# Altium PCB WIoT-Shield01.PcbDoc (part 2 of 2)
Units mm, origin at the board's own origin, x right, y up, seen from the top; angles counter-clockwise.
Board outline 53.32 x 90 mm, 4 copper layers (Top Layer, Internal Plane 1, Internal Plane 2, Bottom Layer), stack 0.844 mm thick; 121 components, 84 nets, 423 pads, 363 vias.
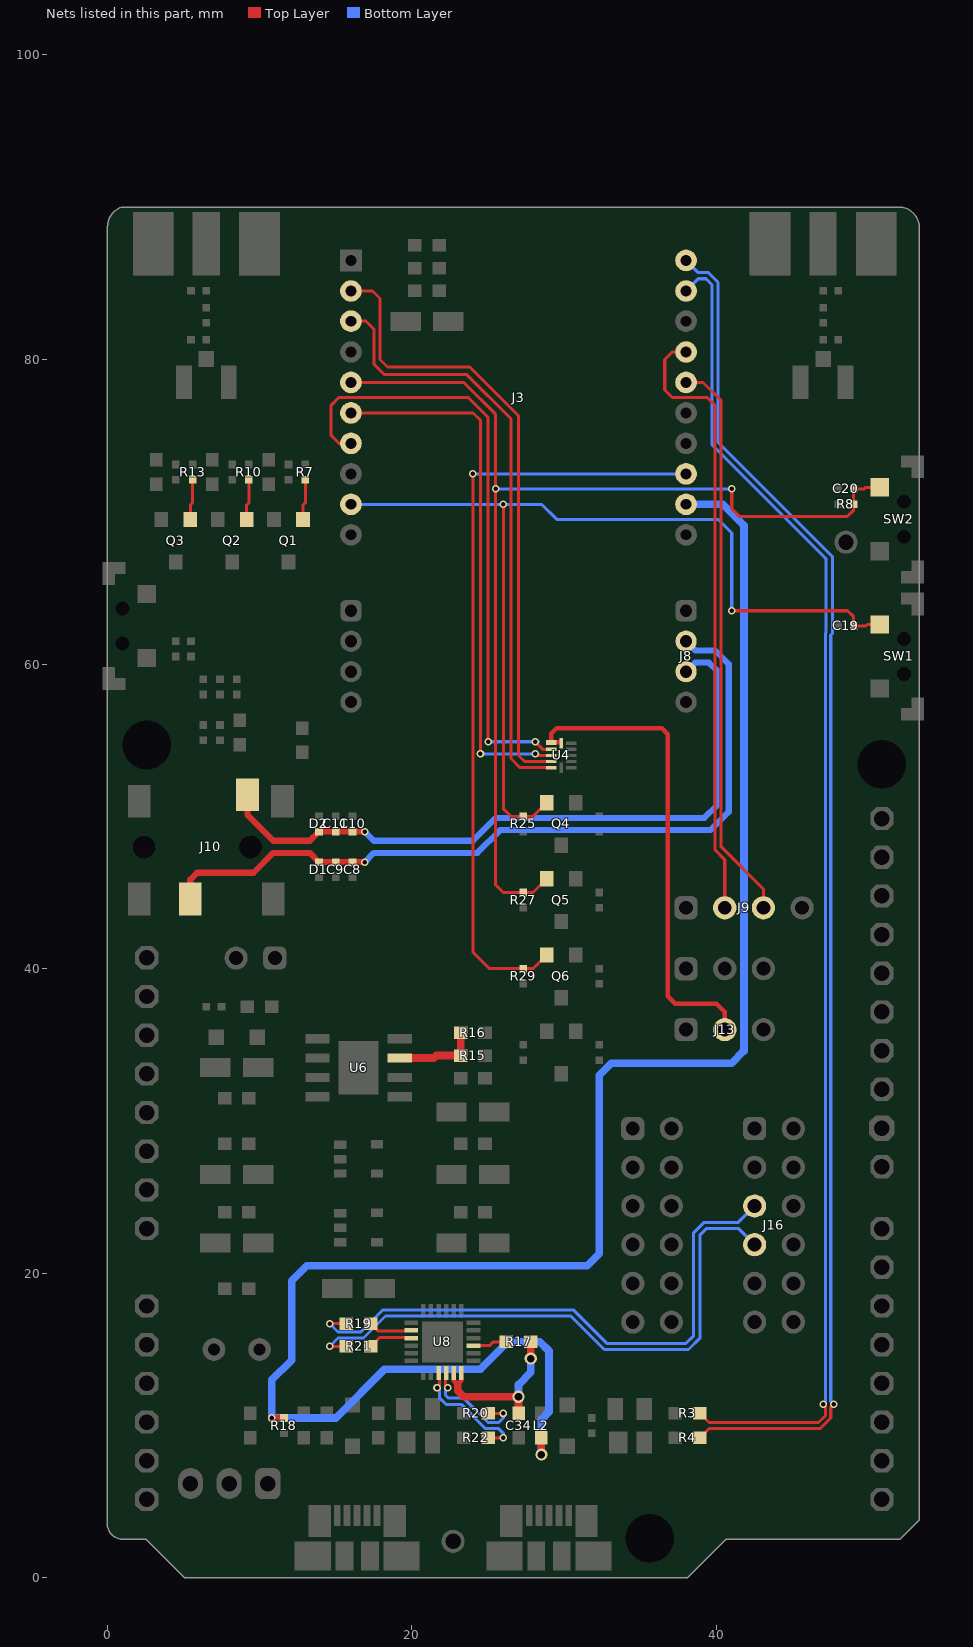
[diagram p4: the nets of this part, all layers, seen from the top]

## Via types
v1: diameter 0.5, hole 0.3, Top Layer to Bottom Layer, tented both sides, 306 vias
v2: diameter 0.8, hole 0.5, Top Layer to Bottom Layer, tented both sides, 57 vias

## Nets (pads, with @x,y where several pads share a name; then routed paths per layer and width w, separated by ;. In a path a pad name is that pad's centre, name@x,y a point inside that pad or via, vN(x,y) a via of type N, cw(c..) or ccw(c..) an arc to the next point about the centre after c; other vN are vias at no path point) (continued)
NetQ1_1: Q1.1 R7.2 | length 2.7
  Top Layer w0.2: Q1.1@12.85,69.5 12.85,70.45 13,70.6 R7.2@13,72.1
NetQ2_1: Q2.1 R10.2 | length 2.7
  Top Layer w0.2: Q2.1@9.15,69.5 9.15,70.45 9.3,70.6 R10.2@9.3,72.1
NetQ3_1: Q3.1 R13.2 | length 2.7
  Top Layer w0.2: Q3.1@5.45,69.5 5.45,70.45 5.6,70.6 R13.2@5.6,72.1
NetR15_1: R15.1 R16.2 U6.7 | length 5.6
  Top Layer w0.5: U6.7@19.2,34.135 21.435,34.135 21.6,34.3 R15.1@23.2,34.3 R16.2@23.2,35.8
NetR17_1: R17.1 U8.9 | length 2.3
  Top Layer w0.2: U8.9@24.05,15.25 25.1,15.25 25.35,15.5 R17.1@26.2,15.5
NetR19_1: R19.1 U8.20 | length 2.9
  Top Layer w0.2: R19.1@17.3,16.7 17.8,16.2 19.5,16.2 19.55,16.25 U8.20@19.95,16.25
NetR21_1: R21.1 U8.21 | length 2.9
  Top Layer w0.2: R21.1@17.3,15.2 17.9,15.8 19.5,15.8 19.55,15.75 U8.21@19.95,15.75
PWRKEY: C19.2 J3.9 Q4.2 R25.1 SW1.1 | length 64.8
  Top Layer w0.2: v1(26,70.488) 26,50.5 26.5,50 R25.1@27.3,50 27.95,50 Q4.2@28.85,50.9 ; v1(41,63.5) 48.6,63.5 49,63.1 C19.2@49,62.5 49.8,62.5 49.9,62.6 SW1.1@50.715,62.6
  Bottom Layer w0.2: J3.9@16,70.488 v1(26,70.488) 28.512,70.488 29.5,69.5 40.1,69.5 41,68.6 v1(41,63.5)
RESET_N: C20.2 J3.5 Q5.2 R8.1 R27.1 SW2.1 | length 73.5
  Top Layer w0.2: J3.5@16,78.488 23.412,78.488 25.5,76.4 v1(25.5,71.5) 25.5,45.5 26,45 R27.1@27.3,45 27.95,45 Q5.2@28.85,45.9 ; v1(41,71.5) 41,70.2 41.5,69.7 48.6,69.7 49,70.1 R8.1@49,70.5 C20.2@49,71.5 49.7,71.5 49.8,71.6 SW2.1@50.715,71.6
  Bottom Layer w0.2: v1(25.5,71.5) v1(41,71.5)
SPK_L: C10.2 C11.2 D2.1 J8.3 J10.3 | length 45.6
  Top Layer w0.4: J10.3@9.2,51.42 9.2,50.1 10.9,48.4 13.3,48.4 D2.1@13.9,49 C11.2@15,49 C10.2@16.1,49 v1(16.9,49)
  Bottom Layer w0.4: v1(16.9,49) 17.5,48.4 24,48.4 25.5,49.9 39.2,49.9 40,50.7 40,59.6 39.5,60.1 38.6,60.1 J8.3@38,59.5
SPK_R: C8.2 C9.2 D1.1 J8.2 J10.6 | length 52.1
  Top Layer w0.4: J10.6@5.45,44.58 5.45,45.85 5.9,46.3 9.6,46.3 10.9,47.6 13.3,47.6 D1.1@13.9,47 C9.2@15,47 C8.2@16.1,47 v1(16.9,47)
  Bottom Layer w0.4: v1(16.9,47) 17.5,47.6 24.3,47.6 25.8,49.1 39.6,49.1 40.8,50.3 40.8,60 39.9,60.9 38.6,60.9 J8.2@38,61.5
U1_CTS: J3.7 U4.2 | length 40.4
  Top Layer w0.2: J3.7@16,74.488 15.212,74.488 14.7,75 14.7,77 15.2,77.5 23.7,77.5 25,76.2 v1(25,54.9) ; v1(28.1,54.9) 28.6,54.4 U4.2@29.145,54.4
  Bottom Layer w0.2: v1(25,54.9) v1(28.1,54.9) v1@28.3,54.9
U1_RTS: J3.6 U4.3 | length 35.5
  Top Layer w0.2: J3.6@16,76.488 24.012,76.488 24.5,76 v1(24.5,54.1) ; v1(28.1,54.1) 28.2,54 U4.3@29.145,54
  Bottom Layer w0.2: v1(24.5,54.1) v1(28.1,54.1) v1@28.3,54.1
U1_RXD: J3.2 U4.4 | length 41.5
  Top Layer w0.2: J3.2@16,84.493 17.407,84.493 17.9,84 17.9,80 18.4,79.5 23.8,79.5 27,76.3 27,54 27.4,53.6 U4.4@29.145,53.6 U4.4@29.345,53.6
U1_TXD: J3.3 U4.5 | length 39.9
  Top Layer w0.2: J3.3@16,82.512 16.988,82.512 17.5,82 17.5,79.7 18.2,79 23.6,79 26.5,76.1 26.5,53.8 27.1,53.2 U4.5@29.145,53.2 U4.5@29.345,53.2
U2_RXD: J3.14 J9.2 | length 40.6
  Top Layer w0.2: J3.14@38,80.488 37.088,80.488 36.6,80 36.6,78 37.1,77.5 39.4,77.5 39.9,77 39.9,47.8 40.54,47.16 J9.2@40.54,44
U2_TXD: J3.15 J9.3 | length 37.2
  Top Layer w0.2: J3.15@38,78.488 39.112,78.488 40.3,77.3 40.3,48 43.08,45.22 J9.3@43.08,44
USB_3.3V: C34.2 R17.2 U8.5 U8.6 | length 11.3
  Top Layer w0.3: U8.5@22.75,13.45 22.75,12.95 23,12.7 23.25,12.95 U8.6@23.25,13.45
  Top Layer w0.5: 23,12.7 23,12.3 23.4,11.9 v2(27,11.9) C34.2@27,10.8 ; v2(27.8,14.4) R17.2@27.8,15.5
  Bottom Layer w0.5: v2(27,11.9) 27,12.7 27.8,13.5 v2(27.8,14.4)
USB_D+: J3.11 R4.1 | length 89.8
  Top Layer w0.2: R4.1@38.9,9.2 39.5,9.8 46.795,9.8 47.5,10.505 47.5,11.2 v1(47.7,11.4)
  Bottom Layer w0.2: J3.11@38,86.5 38.803,85.697 39.469,85.697 40.1,85.066 40.1,74.566 47.6,67.066 47.6,62.007 47.5,61.907 47.5,11.6 v1(47.7,11.4) v1@47.6,11.4
USB_D-: J3.12 R3.1 | length 88.4
  Top Layer w0.2: R3.1@38.9,10.8 39.5,10.2 46.7,10.2 47.15,10.65 47.15,11.25 v1(47,11.4)
  Bottom Layer w0.2: J3.12@38,84.493 38.803,85.297 39.303,85.297 39.7,84.9 39.7,74.4 47.2,66.9 47.2,62.102 47.15,62.052 47.15,11.55 v1(47,11.4)
USB_D_N: R20.2 U8.4 | length 7.6
  Top Layer w0.2: U8.4@22.25,13.45 22.25,13.25 22.2,13.2 22.2,12.65 v1(22.35,12.5) ; R20.2@25,10.8 v1(26,10.8)
  Bottom Layer w0.2: v1(22.35,12.5) 22.2,12.35 22.2,12 22.4,11.8 23.4,11.8 25,10.2 25.7,10.2 26,10.5 v1(26,10.8)
USB_D_P: R22.2 U8.3 | length 8.2
  Top Layer w0.2: v1(21.65,12.5) 21.8,12.65 21.8,13.1 21.75,13.15 U8.3@21.75,13.45 ; R22.2@25,9.2 v1(26,9.2)
  Bottom Layer w0.2: v1(21.65,12.5) 21.8,12.35 21.8,11.834 22.234,11.4 23.234,11.4 24.834,9.8 25.7,9.8 26,9.5 v1(26,9.2)
USB_RX: J16.5 R19.2 | length 38.4
  Top Layer w0.2: v1(14.6,16.7) R19.2@15.7,16.7
  Bottom Layer w0.2: v1(14.6,16.7) 15.15,16.15 16.65,16.15 18.1,17.6 30.6,17.6 32.8,15.4 38,15.4 38.5,15.9 38.5,22.666 39.184,23.35 41.43,23.35 J16.5@42.5,24.42
USB_TX: J16.7 R21.2 | length 38.4
  Top Layer w0.2: v1(14.6,15.2) R21.2@15.7,15.2
  Bottom Layer w0.2: v1(14.6,15.2) 15.15,15.75 16.816,15.75 18.266,17.2 30.434,17.2 32.634,15 38.166,15 38.9,15.734 38.9,22.5 39.35,22.95 41.43,22.95 J16.7@42.5,21.88
USB_VBUS: J3.19 L2.2 R18.2 | length 120.6
  Top Layer w0.4: v1(10.8,10.5) R18.2@11.6,10.5
  Top Layer w0.5: v2(28.5,8.1) L2.2@28.5,9.2
  Bottom Layer w0.5: v2(28.5,8.1) 28.5,10.4 29,10.9 29,14.9 28.4,15.5 26.3,15.5 24.5,13.7 18.2,13.7 15,10.5 v1(10.8,10.5) 10.8,13 12.1,14.3 12.1,19.5 13.1,20.5 31.5,20.5 32.3,21.3 32.3,33 33.1,33.8 41,33.8 41.8,34.6 41.8,69.1 40.412,70.488 J3.19@38,70.488
VCC_SEL: J13.2 U4.1 U4.12 | length 31.7
  Top Layer w0.3: U4.12@29.75,54.855 U4.1@29.145,54.855 29.145,55.445 29.5,55.8 36.4,55.8 36.8,55.4 36.8,38.2 37.3,37.7 40,37.7 40.54,37.16 J13.2@40.54,36
W_DISABLE#: J3.18 Q6.2 R29.1 | length 51.1
  Top Layer w0.2: v1(24,72.488) 24,41.1 25.1,40 R29.1@27.3,40 27.95,40 Q6.2@28.85,40.9
  Bottom Layer w0.2: v1(24,72.488) J3.18@38,72.488
pads on no net: J3.8 J10.0 J10.4 J10.5 M1. M1.A2 M1.A3 M1.A4 M1.A5 M1.AREF M1.D10 M1.D11 M1.D12 M1.D13 M1.RESERVED M1.SCL M1.SDA M1.VIN P1.4 P2.4 SW1.0 SW2.0 SW3.0 U5.4 U6.1 U6.4 U6.5 U7.4 U8.1 U8.10 U8.11 U8.12 U8.13 U8.14 U8.15 U8.17 U8.18 U8.19 U8.22 U8.23 U8.24

## Polygon pours and split planes (outlines as drawn)
AGND on Top Layer "Top Layer-gnd" (solid, remove dead copper, pour order 10): 0.6,50 0.6,48.6 0.8,48.4 4.7,48.4 6.4,48.4 6.6,48.6 6.6,51.7 10.3,55.4 11.1,55.4 16.9,55.4 17.1,55.6 17.1,59.9 16.9,60.1 11.2,60.1 7.7,56.6 0.8,56.6 0.6,56.4
GND on Top Layer "Top Layer-gnd" (solid, remove dead copper, pour order 8): 14.8,54.6 10.7,54.6 7.4,51.3 7.4,47.8 7.2,47.6 0.8,47.6 0.6,47.4 0.6,3.3 0.8,3.1 2.8,3.1 3.4,2.5 5.3,0.6 7,0.6 37.8,0.6 40,2.8 40.4,3.2 41.7,3.2 51.8,3.2 52.5,3.9 52.7,4.1 52.7,4.4 52.7,89.2 52.5,89.4 0.8,89.4 0.6,89.2 0.6,57.6 0.8,57.4 7.3,57.4 10.8,60.9 17.7,60.9 17.9,60.7 17.9,54.8 17.7,54.6
AGND on Bottom Layer "Top Layer-gnd" (solid, remove dead copper, pour order 6): 0.6,50 0.6,48.6 0.8,48.4 4.7,48.4 6.4,48.4 6.6,48.6 6.6,51.7 10.3,55.4 11.1,55.4 16.9,55.4 17.1,55.6 17.1,59.9 16.9,60.1 11.2,60.1 7.7,56.6 0.8,56.6 0.6,56.4
GND on Bottom Layer "Top Layer-gnd" (solid, remove dead copper, pour order 4): 14.8,54.6 10.7,54.6 7.4,51.3 7.4,47.8 7.2,47.6 0.8,47.6 0.6,47.4 0.6,3.3 0.8,3.1 2.8,3.1 3.4,2.5 5.3,0.6 7,0.6 37.8,0.6 40,2.8 40.4,3.2 41.7,3.2 51.8,3.2 52.5,3.9 52.7,4.1 52.7,4.4 52.7,89.2 52.5,89.4 0.8,89.4 0.6,89.2 0.6,57.6 0.8,57.4 7.3,57.4 10.8,60.9 17.7,60.9 17.9,60.7 17.9,54.8 17.7,54.6
AGND on Internal Plane 1 (split plane): 17.173,55.327 10.5,55.327 10.436,55.32 10.375,55.302 10.349,55.288 10.319,55.272 10.269,55.231 6.769,51.731 6.728,51.681 6.698,51.625 6.68,51.564 6.673,51.5 6.673,48.327 0.51,48.327 0.51,56.673 7.5,56.673 7.564,56.68 7.625,56.698 7.681,56.728 7.731,56.769 11.135,60.173 17.173,60.173
GND on Internal Plane 1 (split plane): 52.25,89.454 52.357,89.401 52.455,89.335 52.544,89.257 52.622,89.168 52.688,89.07 52.741,88.963 52.779,88.851 52.802,88.735 52.807,88.649 52.804,88.617 52.804,4.021 51.833,3.05 40.615,3.05 40.515,3.041 40.419,3.012 40.331,2.964 40.254,2.901 37.863,0.51 5.291,0.51 2.901,2.901 2.824,2.964 2.735,3.012 2.64,3.041 2.54,3.05 1.016,3.05 1.004,3.049 0.917,3.058 0.822,3.087 0.734,3.134 0.657,3.197 0.594,3.274 0.547,3.362 0.518,3.457 0.509,3.544 0.51,3.556 0.51,47.673 7,47.673 7.064,47.68 7.125,47.698 7.181,47.728 7.231,47.769 7.272,47.819 7.302,47.875 7.32,47.936 7.327,48 7.327,51.365 10.635,54.673 17.5,54.673 17.564,54.68 17.625,54.698 17.681,54.728 17.731,54.769 17.772,54.819 17.802,54.875 17.82,54.936 17.827,55 17.827,60.5 17.82,60.564 17.802,60.625 17.772,60.681 17.731,60.731 17.681,60.772 17.625,60.802 17.564,60.82 17.5,60.827 11,60.827 10.936,60.82 10.875,60.802 10.819,60.772 10.769,60.731 7.365,57.327 0.51,57.327 0.51,88.59 0.513,88.6 0.523,88.7 0.522,88.711 0.529,88.815 0.551,88.927 0.588,89.036 0.639,89.139 0.703,89.235 0.779,89.321 0.865,89.397 0.961,89.461 1.019,89.49 1.374,89.49 1.374,85.205 5.75,85.205 5.75,79.9 4.2,79.9 4.2,77.1 8.8,77.1 8.8,79.9 7.202,79.9 7.202,85.205 11.626,85.205 11.626,89.49 41.874,89.49 41.874,85.2 46.298,85.2 46.298,79.9 44.7,79.9 44.7,77.1 49.3,77.1 49.3,79.9 47.75,79.9 47.75,85.205 52.126,85.205 52.126,89.49 52.144,89.49
3.8V on Internal Plane 2 (split plane): 26.373,29.827 19.327,29.827 19.327,36.673 21,36.673 21.064,36.68 21.125,36.698 21.181,36.728 21.231,36.769 21.272,36.819 21.302,36.875 21.32,36.936 21.327,37 21.327,89.49 26.373,89.49
AGND on Internal Plane 2 (split plane): 17.173,55.327 10.5,55.327 10.436,55.32 10.375,55.302 10.349,55.288 10.319,55.272 10.269,55.231 6.769,51.731 6.728,51.681 6.698,51.625 6.68,51.564 6.673,51.5 6.673,48.327 0.51,48.327 0.51,56.673 7.5,56.673 7.564,56.68 7.625,56.698 7.681,56.728 7.731,56.769 11.135,60.173 17.173,60.173
1.8V on Internal Plane 2 (split plane): 52.25,89.454 52.357,89.401 52.455,89.335 52.544,89.257 52.622,89.168 52.688,89.07 52.741,88.963 52.779,88.851 52.802,88.735 52.807,88.649 52.804,88.617 52.804,4.021 51.833,3.05 40.615,3.05 40.515,3.041 40.419,3.012 40.331,2.964 40.254,2.901 37.863,0.51 36.827,0.51 36.827,13.5 36.82,13.564 36.802,13.625 36.772,13.681 36.731,13.731 36.681,13.772 36.625,13.802 36.564,13.82 36.5,13.827 14.827,13.827 14.827,24.673 40.5,24.673 40.564,24.68 40.625,24.698 40.681,24.728 40.731,24.769 40.772,24.819 40.802,24.875 40.82,24.936 40.827,25 40.827,38.7 40.82,38.764 40.802,38.825 40.772,38.881 40.731,38.931 40.681,38.972 40.625,39.002 40.564,39.02 40.5,39.027 32,39.027 31.936,39.02 31.875,39.002 31.819,38.972 31.769,38.931 31.728,38.881 31.698,38.825 31.68,38.764 31.673,38.7 31.673,29.827 27.027,29.827 27.027,89.49 41.874,89.49 41.874,85.2 46.298,85.2 46.298,79.9 44.7,79.9 44.7,77.1 49.3,77.1 49.3,79.9 47.75,79.9 47.75,85.205 52.126,85.205 52.126,89.49 52.144,89.49
3.3V on Internal Plane 2 (split plane): 20.673,37.327 19,37.327 18.936,37.32 18.875,37.302 18.819,37.272 18.769,37.231 18.728,37.181 18.698,37.125 18.68,37.064 18.673,37 18.673,29.5 18.68,29.436 18.698,29.375 18.728,29.319 18.769,29.269 18.819,29.228 18.875,29.198 18.936,29.18 19,29.173 32,29.173 32.064,29.18 32.125,29.198 32.181,29.228 32.231,29.269 32.272,29.319 32.302,29.375 32.32,29.436 32.327,29.5 32.327,38.373 40.173,38.373 40.173,25.327 0.51,25.327 0.51,47.673 7,47.673 7.064,47.68 7.125,47.698 7.181,47.728 7.231,47.769 7.272,47.819 7.302,47.875 7.32,47.936 7.327,48 7.327,51.365 10.635,54.673 17.5,54.673 17.564,54.68 17.625,54.698 17.681,54.728 17.731,54.769 17.772,54.819 17.802,54.875 17.82,54.936 17.827,55 17.827,60.5 17.82,60.564 17.802,60.625 17.772,60.681 17.731,60.731 17.681,60.772 17.625,60.802 17.564,60.82 17.5,60.827 11,60.827 10.936,60.82 10.875,60.802 10.819,60.772 10.769,60.731 7.365,57.327 0.51,57.327 0.51,88.59 0.513,88.6 0.523,88.7 0.522,88.711 0.529,88.815 0.551,88.927 0.588,89.036 0.639,89.139 0.703,89.235 0.779,89.321 0.865,89.397 0.961,89.461 1.019,89.49 1.374,89.49 1.374,85.205 5.75,85.205 5.75,79.9 4.2,79.9 4.2,77.1 8.8,77.1 8.8,79.9 7.202,79.9 7.202,85.205 11.626,85.205 11.626,89.49 20.673,89.49
5V on Internal Plane 2 (split plane): 14.173,13.5 14.18,13.436 14.198,13.375 14.228,13.319 14.269,13.269 14.319,13.228 14.375,13.198 14.436,13.18 14.5,13.173 36.173,13.173 36.173,0.51 5.291,0.51 2.901,2.901 2.824,2.964 2.735,3.012 2.64,3.041 2.54,3.05 1.016,3.05 1.004,3.049 0.917,3.058 0.822,3.087 0.734,3.134 0.657,3.197 0.594,3.274 0.547,3.362 0.518,3.457 0.509,3.544 0.51,3.556 0.51,24.673 14.173,24.673

## Keep-outs
Keep-Out Layer:
  lines w0.15: 0,88.7 0,3.556 ccw(c1.016,3.556) 1.016,2.54 2.54,2.54 5.08,0 38.075,0 40.615,2.54 52.045,2.54 53.315,3.81 53.315,88.617 ; 0.013,88.7 cw(c1.4,88.7) 0.916,90 52.199,90 cw(c51.904,88.617) 53.318,88.617
  text ".Layer_Name" at 9.398,95 h1.52

## Other copper
Top Layer:
  rectangle net GND: 14.9,31.364 18.1,35.636
  pour cut-out: 18.302,84 18.302,85.398 18.3,85.4 16.9,85.4 16.9,84.2 16.7,84
  pour cut-out: 14.999,63.418 14.999,57.793 15.033,57.759 16.659,57.759 16.992,58.092 16.992,63.308 16.9,63.4
  pour cut-out: 3.15,52.144 4.944,52.144 5.1,52.3 5.1,53.6 4.4,53.6 3.4,52.6
  pour cut-out: 1.05,51.25 0.45,51.25 0.1,51.6 0.2,51.7 0.2,53 1.3,53 1.2,52.9 1.2,51.3
  pour cut-out: 47.75,77.1 46.298,77.1 46.298,85.205 47.75,85.205
  pour cut-out: 5.75,85.205 7.202,85.205 7.202,77.1 5.75,77.1
  region net NetD3_2: 27.9,3.5 27.5,3.5 27.5,5 26.9,5.6 26.9,6.3 27.8,7.2 29.4,7.2 29.7,7.5 29.7,9.2 30.7,9.2 30.7,7.1 29.8,6.2 28.2,6.2 27.9,5.9
  pour cut-out: 36.999,63.799 37.692,64.492 39.108,64.492 39.2,64.4 39.2,60.8 38.6,60.2 37.474,60.2 37.033,59.759 36.999,59.793
  pour cut-out: 36.989,86.496 36.989,68.411 37.925,67.475 39.013,67.475 39.013,86.5
  pour cut-out: 14.989,85.489 14.989,68.783 15.021,68.75 16.979,68.75 17.013,68.785 17.013,85.487 17,85.5
  region net 3.8V: 21.3,81.8 23.4,81.8 23.7,82.1 23.7,86.1 23.4,86.4 21.3,86.4
  region net 3.8V_OUT: 20.7,85.6 15.6,85.6 15.3,85.9 15.3,87.4 15.6,87.7 20.7,87.7
  region net M_5V_IN: 1.9,31.6 1.6,31.3 1.6,29.8 1.9,29.5 5.2,29.5 5.8,30.1 5.8,34.2 6.1,34.5 7.8,34.5 8.1,34.8 8.1,36.2 7.8,36.5 4.4,36.5 3.8,35.9 3.8,31.9 3.5,31.6
  region net 3.8V: 18.4,33.2 18.4,32.5 20.1,32.5 20.4,32.2 20.4,30.3 20.7,30 23.6,30 23.6,33.2
  region net 3.3V: 17.6,29.5 17.3,29.2 17.3,28.2 18.2,28.2 18.5,27.9 18.5,26.1 18.8,25.8 23.6,25.8 23.6,29.2 23.3,29.5
  region net 1.8V: 17.6,25 17.3,24.7 17.3,23.7 18.2,23.7 18.5,23.4 18.5,21.6 18.8,21.3 23.6,21.3 23.6,24.7 23.3,25
  region net 5V: 13.8,22.3 13.5,22.6 13.5,23.4 13.8,23.7 15.7,23.7 15.7,26.8 13.8,26.8 13.5,27.1 13.5,27.9 13.8,28.2 15.7,28.2 15.7,29.7 15.4,30 12.8,30 12.5,30.3 12.5,32.3 12.8,32.6 14.6,32.6 14.6,34.4 12.8,34.4 12.5,34.7 12.5,36.2 12.2,36.5 9.2,36.5 8.9,36.2 8.9,21.3 9.2,21 15.4,21 15.7,21.3 15.7,22.3
  region net 5V: 11.3,9.7 11.3,7.7 11.6,7.4 14.6,7.4 14.9,7.7 14.9,9.7
  region net NetD7_1: 13.9,10.3 16.6,10.3 16.9,10.6 16.9,11.7 16.6,12 14.2,12 13.9,11.7
  region net NetD7_2: 15.3,4.8 15.3,3.4 14.9,3.4 14.9,4.8 14.9,6.7 15.6,7.4 15.6,9.2 16.6,9.2 16.6,8.4 16.6,7 15.9,6.3 15.3,5.7
  pour cut-out: 37.033,57.759 36.999,57.793 36.999,59.793 38.993,59.793 39,59.8 39,58.1
  pour cut-out: 13.6,69.6 13.6,73.9 13.8,74.1 15.1,74.1 15.1,75.2 5.7,75.2 5.5,75 5.477,75.023 2.512,75.023 2.49,75.045 2.49,69.91 2.8,69.6
  pour cut-out: 1.533,35.104 1.533,28.546 3.657,28.546 3.657,35.957 4.397,36.697 3.126,36.697
  pour cut-out: 50.324,11.713 53.128,11.713 53.315,11.9 53.315,25.185 53,25.5 52.7,25.2 48.3,25.2 48.325,25.175 48.325,12.775 48.825,12.775 49,12.6 49.437,12.6
  pour cut-out: 49.793,27.492 46.508,27.492 46.104,27.896 46.104,30.564 45.324,31.344 44.5,30.52 44.5,16.5 45.3,15.7 47.8,15.7 47.8,25.1 48.8,26.1
  pour cut-out: 49.717,27.183 49.8,27.1 53,27.1 53,30.6 52.923,30.677 50.286,30.677 49.717,30.108
  pour cut-out: 52.897,48.797 53,48.9 53,51.6 50.3,51.6 49.793,51.093 49.793,49.328 50.324,48.797
  pour cut-out: 51.815,56.015 50.915,56.015 50.8,55.9 51.3,55.4 53.1,55.4 53.1,55.8 52.9,56
  pour cut-out: 51.815,57.4 51.615,57.4 51.515,57.5 51.515,63.5 51.615,63.6 52.8,63.6 52.9,63.5 52.7,63.3 52.7,57.3
  pour cut-out: 49.55,61.95 49.8,61.7 50.115,61.7 50.115,62.185 50.1,62.2 49.5,62.2
  pour cut-out: 50.115,63.5 49.2,63.5 49.1,63.4 49.3,63.2 49.3,62.8 50.2,62.8 50.3,62.9
  pour cut-out: 51.815,66.4 51.715,66.5 51.515,66.5 51.515,67.99 51.525,68 53.2,68 53.2,66.6 53.1,66.5
  pour cut-out: 50.115,70.7 49.5,70.7 49.4,70.8 49.55,70.95 49.55,72.05 50.15,72.05 50.3,71.9
  pour cut-out: 51.439,68.3 51.439,71.824 51.515,71.9 53.2,71.9 53.1,71.8 53.1,68.4
  pour cut-out: 51.515,72.5 51.615,72.6 52.7,72.6 52.5,72.4 52.5,71.6 51.5,71.6
  pour cut-out: 38.488,42.944 43.218,42.944 43.219,42.945 43.219,45.081 40.8,47.5 39.2,47.5 39.2,47.1 38.3,46.2
  pour cut-out: 38.25,56.532 39.232,56.532 39.3,56.6 39.3,57.3 38.9,57.3 38.7,57.1
  pour cut-out: 37.008,63.951 37.008,68.708 37.2,68.9 37.3,68.8 39,68.8 39.3,68.5 39.3,64.1
  pour cut-out: 13.6,69.6 13.7,69.5 15.4,69.5 15.4,74 15.1,74.3 13.7,74.3 13.4,74
  pour cut-out: 25.455,16.21 24.51,16.21 24.5,16.2 24.6,16.1 24.6,15.4 25.5,15.4 25.6,15.5
  pour cut-out: 28.545,14.79 28.545,13.555 28.798,13.302 30.2,13.302 30.2,11.35 30.1,11.25 30.05,11.3 28.9,11.3 28.9,11.4 27.7,12.6 28,12.9 28,14.8
  pour cut-out: 32.55,12.12 31.62,12.12 31.248,11.748 31.248,10.952 31.5,10.7 31.6,10.8 32.7,10.8
  pour cut-out: 33.8,9.92 33.8,11.77 34.15,12.12 36.05,12.12 36.05,11.51 36.555,11.51 37.865,10.2 39.1,10.2 39.1,10 39.2,9.9 37.79,8.49 34.81,8.49 34.4,8.9
  pour cut-out: 40.4,3.2 37.8,3.2 37.1,2.5 37.1,0.3 38.2,0.3 39.3,1.4
  pour cut-out: 26.29,8.455 21.545,8.455 20.2,9.8 18.3,9.8 17.8,10.3 17.8,12.602 18.165,12.602 18.65,12.117 18.653,12.12 20.25,12.12 20.3,12.17 20.3,12.7 21.1,12.7 23.5,10.3 26.5,10.3
  pour cut-out: 16.6,12.301 16.901,12.301 17.202,12.602 17.8,12.602 17.8,11.35 17.45,11.7 16.7,11.7
  pour cut-out: 18.302,81.504 23.629,81.504 24,81.875 24,82.2 18.3,82.2 18.1,82
  pour cut-out: 20.45,83.79 20.45,83.45 20.6,83.3 21.1,83.3 21.1,83.8
  pour cut-out: 14.6,7.099 16.099,7.099 16.2,7.2 15.5,7.9 15.3,7.9 14.8,7.4
  pour cut-out: -0.005,54.685 ccw(c2.595,54.685) 2.595,52.085 ccw(c2.595,54.685) 5.195,54.685 ccw(c2.595,54.685) 2.595,57.285 ccw(c2.595,54.685)
  pour cut-out: 48.255,53.415 ccw(c50.855,53.415) 50.855,50.815 ccw(c50.855,53.415) 53.455,53.415 ccw(c50.855,53.415) 50.855,56.015 ccw(c50.855,53.415)
  pour cut-out: 33.015,2.615 ccw(c35.615,2.615) 35.615,0.015 ccw(c35.615,2.615) 38.215,2.615 ccw(c35.615,2.615) 35.615,5.215 ccw(c35.615,2.615)
  text ".Layer_Name" at 9.398,95 h1.52
Bottom Layer:
  pour cut-out: 5.195,54.685 5.195,56.805 5,57 4.847,56.847 4.039,56.847
  pour cut-out: 14.999,62.2 14.999,64.199 15.1,64.3 15.9,64.3 15.9,62.4
  pour cut-out: 14.999,60.1 14.999,57.782 15.082,57.7 16.3,57.7 16.3,59.3 15.9,59.7
  pour cut-out: 45.141,85.205 49.032,85.205 49.032,85.441 45.141,85.441
  pour cut-out: 4.641,85.205 8.532,85.205 8.532,85.441 4.641,85.441
  pour cut-out: 37,63.5 37,59.8 39.001,59.8 39.001,63.5
  pour cut-out: 14.999,62.2 16.9,62.2 16.9,59.8 14.999,59.8
  pour cut-out: 4.6,57.2 4.6,56.1 3.4,56.1 3.4,57.2
  region net 3.8V: 22.7,85.6 23.3,85.6 23.6,85.3 23.6,83.7 23.3,83.4 22.7,83.4 22.4,83.7 22.4,85.3
  region net 3.8V: 20.3,31.4 20.6,31.1 22.2,31.1 22.5,31.4 22.5,33 22.2,33.3 20.6,33.3 20.3,33
  region net 3.3V: 19.3,26.7 19.6,26.4 21.2,26.4 21.5,26.7 21.5,28.3 21.2,28.6 19.6,28.6 19.3,28.3
  region net 1.8V: 19.3,22.3 19.6,22 21.2,22 21.5,22.3 21.5,23.9 21.2,24.2 19.6,24.2 19.3,23.9
  region net 5V: 11,22.2 11.3,21.9 12.9,21.9 13.2,22.2 13.2,23.8 12.9,24.1 11.3,24.1 11,23.8
  region net 5V: 14.8,8.3 14.8,7.7 14.5,7.4 12.9,7.4 12.6,7.7 12.6,8.3 12.9,8.6 14.5,8.6
  pour cut-out: 49.793,51.193 50.1,51.5 53.1,51.5 53.1,49 52.897,48.797 50.324,48.797 49.793,49.328
  pour cut-out: 45.04,15.736 46.104,16.8 46.104,19.47 46.095,19.479 46.095,26.951 46.104,26.96 45.04,28.024 42.5,28.024 41.436,26.96 41.436,16.336 41.2,16.1 41.2,15.8 41.264,15.736
  pour cut-out: 34.639,17.855 35.755,17.855 35.976,18.076 35.976,21.88 37.04,22.944 38.556,22.944 38.6,22.9 38.6,15.6 38,15 33.9,15 33.436,15.464 33.436,16.8 34.5,17.864
  pour cut-out: 2.064,34.573 0.527,34.573 0.3,34.8 0.3,36.2 0.7,36.2 1.3,35.6
  pour cut-out: 22.32,8.648 26.08,8.648 26.545,9.114 26.545,10.886 26.08,11.352 24.417,11.352 23.7,12.068 23.7,13.2 21.1,13.2 21.1,9.758 21.908,8.95
  pour cut-out: 26.306,11.79 26.306,12.787 27.106,13.587 27.106,15.094 27.1,15.1 28,15.1 28.6,14.5 28.6,11.3 28.498,11.198 27,11.198
  pour cut-out: 27.948,10.4 27.948,11.348 28,11.4 28.7,11.4 28.7,10.4 28.6,10.3
  pour cut-out: 30.2,11.898 30.2,13.302 29.302,13.302 29.3,13.3 29.3,11.9
  pour cut-out: 3.657,36.166 3.657,42.057 3.65,42.05 1.35,42.05 1.35,36.15 1.4,36.1
  pour cut-out: 1.522,42.694 1.516,42.7 0.2,42.7 0.2,41.9 0.5,41.6 1.2,41.6
  pour cut-out: 2.4,46.948 0.352,46.948 0.1,47.2 0.1,48.7 0.452,49.052 2.4,49.052
  pour cut-out: 2.595,52.085 0.615,52.085 0.2,52.5 0.3,52.6 0.3,53.1 1.7,53.1
  pour cut-out: 37,59.8 37,57.782 37.032,57.75 38.968,57.75 39.001,57.782 39.001,59.8
  pour cut-out: 38.984,57.766 39.666,57.766 39.7,57.8 39.7,59.5 39.5,59.7 38.9,59.7 38.8,59.6
  pour cut-out: 17.013,72.488 17.013,68.77 16.981,68.738 15.019,68.738 14.987,68.77 14.987,87.509 14.989,87.511 17.011,87.511
  pour cut-out: 39.01,68.434 39.01,86.627 39.005,86.632 36.995,86.632 36.995,68.305 37,68.3
  pour cut-out: 41.552,71.5 42.032,71.5 41.54,71.992
  pour cut-out: 28.8,69.7 28.8,68.8 29.2,68.8 29.2,69.3
  pour cut-out: 29.2,70.2 29.2,71.3 28.7,71.3 28.7,70.6
  pour cut-out: -0.005,54.685 ccw(c2.595,54.685) 2.595,52.085 ccw(c2.595,54.685) 5.195,54.685 ccw(c2.595,54.685) 2.595,57.285 ccw(c2.595,54.685)
  pour cut-out: 48.255,53.415 ccw(c50.855,53.415) 50.855,50.815 ccw(c50.855,53.415) 53.455,53.415 ccw(c50.855,53.415) 50.855,56.015 ccw(c50.855,53.415)
  pour cut-out: 33.015,2.615 ccw(c35.615,2.615) 35.615,0.015 ccw(c35.615,2.615) 38.215,2.615 ccw(c35.615,2.615) 35.615,5.215 ccw(c35.615,2.615)
  text ".Layer_Name" at 9.398,95 h1.52
Internal Plane 1 (plane layer: these items are gaps in the copper):
  region: 41.874,85.2 46.298,85.2 46.298,79.9 44.7,79.9 44.7,77.1 49.3,77.1 49.3,79.9 47.75,79.9 47.75,85.205 52.126,85.205 52.126,90 41.874,90
  region: 1.374,90 1.374,85.205 5.75,85.205 5.75,79.9 4.2,79.9 4.2,77.1 8.8,77.1 8.8,79.9 7.202,79.9 7.202,85.205 11.626,85.205 11.626,90 11.6,90
  lines w0.65: 0,48 7,48 7,51.5 10.5,55 17.5,55 17.5,60.5 11,60.5 7.5,57 0,57
  text ".Layer_Name" at 9.398,95.032 h1.52
Internal Plane 2 (plane layer: these items are gaps in the copper):
  region: 41.874,85.2 46.298,85.2 46.298,79.9 44.7,79.9 44.7,77.1 49.3,77.1 49.3,79.9 47.75,79.9 47.75,85.205 52.126,85.205 52.126,90 41.874,90
  region: 1.374,90 1.374,85.205 5.75,85.205 5.75,79.9 4.2,79.9 4.2,77.1 8.8,77.1 8.8,79.9 7.202,79.9 7.202,85.205 11.626,85.205 11.626,90 11.6,90
  lines w0.65: 0,25 14.5,25 ; 0,48 7,48 7,51.5 10.5,55 17.5,55 17.5,60.5 11,60.5 7.5,57 0,57 ; 19,25 24,25 ; 21,90 21,37 19,37 19,29.5 27,29.5 ; 26.7,90 26.7,29.5 32,29.5 32,38.7 40.5,38.7 40.5,25 14.5,25 ; 36.5,0 36.5,13.5 14.5,13.5 14.5,25
  text ".Layer_Name" at 9.398,95.032 h1.52

## Silkscreen, mask and mechanical layers (free items; w line width, h text height)
Top Overlay:
  lines w0.15: 14.1,66.7 14.1,55.6 40.1,55.6 40.1,63.6 ; 15.2,88.4 14.1,88.4 14.1,66.4 40.1,66.4 ; 16.8,88.4 37.2,88.4 ; 39,88.4 40.1,88.4 40.1,82.8 40.1,66.4 ; 40.1,65.1 40.1,66.4 ; 46.99,30.77 46.99,30.77 ; 47,23.1 47,23.1
  lines w0.25: 36.73,45.263 36.73,50.725 37.567,51.562 40.056,51.562 ; 39.8,15.9 40.1,15.6 40.2,15.6 41.16,15.6 41.23,15.53 ; 39.8,17.8 40.1,18.1 ; 39.8,18.4 40.1,18.1 ; 39.8,20.3 40.2,20.7 ; 39.8,21.9 39.8,21.1 40.2,20.7 ; 39.8,24.3 39.8,25.3 40.2,25.7 ; 39.8,26.1 40.2,25.7 ; 39.9,28.5 40.2,28.2 ; 39.9,30.5 40.17,30.77 41.23,30.77 ; 41.2,28.2 40.2,28.2 ; 41.23,28.1 41.33,28.2 46.3,28.2 ; 43.028,51.562 45.999,51.562 46.89,50.671 46.89,45.27 ; 46.3,18.1 41.23,18.1 40.2,18.1 40.1,18.1 ; 46.3,25.7 40.5,25.7 40.2,25.7 ; 46.3,30.77 46.99,30.77 47.49,30.27 47.49,27.7 ; 46.31,15.53 47.13,15.53 47.5,15.9 47.5,18.43 ; 46.31,20.7 40.2,20.7 ; 46.31,23.1 47,23.1 47.5,22.6 47.5,20.2 ; 46.4,23.1 47.02,23.1 47.49,23.57 47.49,26.1 ; 39.9,27.9 39.9,27.9 ; 39.9,27.9 40.2,28.2 ; 40.2,20.7 40.2,20.7 ; 40.2,28.2 40.2,28.2
  text ".Layer_Name" at 9.398,95.032 h1.52
  text "J17" at 17.577,86.919 h0.8
  text "Module" at 23.8,78 h1.5
  text "Socket" at 23.7,75.3 h1.5
  text "MODULE_RSTn" at 42.7,65.1 h0.8
  text "LD1=STATE LED" at 3.556,64.897 h0.8
  text "LD2=PWR LED" at 3.556,63.652 h0.8
  text "LD3=WAKE LED" at 3.556,62.408 h0.8
  text "VoLTE" at 24.3,61.7 h1.5
  text "Extension" at 22.7,59.4 h1.5
  text "M_RSTn" at 0.5,57 h0.8
  text "PWRKEY" at 45.796,56.388 h0.8
  text "SPK_L" at 8.7,52.9 h0.8
  text "AGND" at 1.3,52.2 h0.8
  text "1.8V" at 40.488,51.232 h0.8
  text "GPIO" at 38.4,45.6 h0.8 r90
  text "U2_RXD" at 40.94,45.6 h0.8 r90
  text "U2_TXD" at 43.48,45.6 h0.8 r90
  text "GND" at 46.02,45.6 h0.8 r90
  text "VoLTE" at 12.7,42.9 h0.8
  text "MIC_P" at 0.5,42.5 h0.8
  text "SPK_R" at 4.6,42.5 h0.8
  text "Debug" at 33.3,42.2 h0.8
  text "IOr SEL" at 15.5,40.9 h0.8
  text "IOr" at 5.5,40.2 h0.8
  text "3.3V" at 13.8,39.6 h0.8
  text "GND" at 44.7,39.6 h0.8
  text "1.8V" at 34,38.4 h0.8
  text "POWER LED" at 11.4,38.3 h0.8
  text "PWRKEY SEL" at 36.6,37.6 h0.8
  text "1.8V" at 44.7,35.6 h0.8
  text "3.3V" at 34,34.4 h0.8
  text "MODULE UART VCC SEL" at 36.6,33.5 h0.8
  text "PIN SEL" at 35.5,31.3 h0.8
  text "UART SEL" at 43.5,31.3 h0.8
  text "D9" at 31.5,29.1 h0.8
  text "D8" at 39.3,29.1 h0.8
  text "D1" at 39.3,26.6 h0.8
  text "D7" at 31.5,26.56 h0.8
  text "TXD" at 46.8,26.5 h0.8
  text "J21" at 50.013,24.638 h0.8
  text "D6" at 31.5,24.02 h0.8
  text "USB" at 38.8,22.7 h0.8
  text "D5" at 31.5,21.48 h0.8
  text "J19" at 1.549,20.472 h0.8
  text "D4" at 31.5,18.94 h0.8
  text "D0" at 39.2,18.9 h0.8
  text "RXD" at 46.8,18.9 h0.8
  text "D3" at 31.5,16.4 h0.8
  text "D2" at 39.2,16.4 h0.8
  text "MODULE UART" at 16.7,6.1 h0.8
  text "USB HOST" at 27.4,6.1 h0.8
  text "WIoT-Shield01 Rev1.0" at 38.71,3.759 h0.7
  text "J18" at 1.575,2.794 h0.8
  text "J20" at 49.784,2.794 h0.8
  text "Temp." at 7.2,2.2 h0.8
  text "Sensor" at 7.2,0.9 h0.8
Bottom Overlay:
  lines w0.15: 32.9,30.4 32.9,31.2 35.2,31.2 35.8,30.6 ; 32.9,30.4 33.1,30.6 32.7,30.6 32.9,30.4 ; 35.8,30.6 35.8,15.7 38.3,15.7 38.3,30.6 35.8,30.6
  lines w0.25: 12.3,39.1 33.8,39.1 ; 12.3,41.5 33.8,41.5 ; 12.3,44 33.8,44 ; 12.3,47.2 33.8,47.2
  text ".Layer_Name" at 9.398,95 h1.52
  text "3.8V_IN" at 21.3,86.1 h0.8
  text "USB_D+" at 36.8,86.1 h0.8
  text "U1_RXD" at 21.2,84.1 h0.8
  text "USB_D-" at 36.8,84.1 h0.8
  text "U1_TXD" at 21.2,82.1 h0.8
  text "LED_IND1" at 36.8,82.1 h0.8
  text "LED_IND3" at 21.9,80.1 h0.8
  text "U2_RXD" at 36.8,80.1 h0.8
  text "RESET_N" at 21.7,78.1 h0.8
  text "U2_TXD" at 36.8,78.1 h0.8
  text "U1_RTS" at 21,76.1 h0.8
  text "LED_IND2" at 36.8,76.1 h0.8
  text "U1_CTS" at 21.1,74.1 h0.8
  text "PWRKEY" at 21.3,70.1 h0.8
  text "USB_VBUS" at 36.8,70.1 h0.8
  text "GND" at 19.2,68.1 h0.8
  text "3.3V" at 20.2,63.112 h0.8
  text "1.8V" at 36.8,63.112 h0.8
  text "MIC_P" at 20.2,61.112 h0.8
  text "SPK_R" at 36.8,61.112 h0.8
  text "MIC_N" at 20.2,59.112 h0.8
  text "SPK_L" at 36.8,59.112 h0.8
  text "ANGD" at 20.2,57.112 h0.8
  text "GND" at 36.8,57.112 h0.8
  text "Rev1.0" at 19.7,44.8 h1
  text "WIoT-Shield01" at 33.8,44.8 h1.4
  text "www.wiznet.io" at 33.8,42.2 h1.2
  text "www.wiznetian.com" at 33.9,39.8 h1.2
  text "PWRKEY" at 33,29 h0.8
  text "RESET" at 33,26.46 h0.8
  text "U1_CTS" at 33,23.92 h0.8
  text "U1_RTS" at 33,21.38 h0.8
Top Paste:
  text ".Layer_Name" at 9.398,95 h1.52
Bottom Paste:
  text ".Layer_Name" at 9.398,95 h1.52
Top Solder:
  text ".Layer_Name" at 9.398,95 h1.52
Bottom Solder:
  text ".Layer_Name" at 9.398,95 h1.52
Drill Guide:
  text ".Layer_Name" at 9.398,95 h1.52
Mechanical 2:
  lines w0.127: 59.346,16.129 85.508,16.129 ; 59.346,18.923 85.508,18.923 ; 58,4.775 ccw(c58.711,4.775) 58.711,4.064 85.889,4.064 ccw(c85.889,4.775) 86.6,4.775 86.6,24.003 ccw(c85.889,24.003) 85.889,24.714 58.711,24.714 ccw(c58.711,24.003) 58,24.003 58,4.775
  lines w0.15: 0,88.7 0,3.556 ccw(c1.016,3.556) 1.016,2.54 2.54,2.54 5.08,0 38.075,0 40.615,2.54 52.045,2.54 53.315,3.81 53.315,88.617 ; 0.013,88.7 cw(c1.4,88.7) 0.916,90 52.199,90 cw(c51.904,88.617) 53.318,88.617
  text "BOARD NAME : WIoT-Shield01" at 0,106.176 h1.52
  text "VERSION : R04" at 0,103.382 h1.52
  text "SIZE : 53.315mmX90mmX1.6T" at 0,100.588 h1.52
  text "GERBER DATE : 2019.03.13" at 0,97.794 h1.52
  text "LAYER :" at 0,95 h1.52
  text "Layer Stack Up Detail for:" at 59.473,22.606 h1.02
  text "WIoT-Shield01.PcbDoc" at 59.346,20.193 h1.27
  text "Layer Name : 4L  1.6T" at 59.473,17.018 h1.02
  text "Top Layer" at 59.346,13.335 h1.52
  text "Internal Plane 1" at 59.346,10.541 h1.52
  text "Internal Plane 2" at 59.346,7.874 h1.52
  text "Bottom Layer" at 59.346,5.334 h1.52
  text "KS Technology artwork" at 58,0 h5.08
Drill Drawing:
  text ".Layer_Name" at 9.398,95 h1.52
  text ".Legend" at 60.032,27.432 h1.02

## Dimensions
5.08,0 to 0.916,90 on Mechanical 2
0,3.556 to 53.315,3.81 on Mechanical 2

## Text inside footprints (layer, text, board x,y; h text height)
M1: Top Overlay "RST" at 0.309,36.524 h0.76 r270; Top Overlay "3.3V" at 0.309,34.238 h0.76 r270; Top Overlay "5V" at 0.309,31.19 h0.76 r270; Top Overlay "GND" at 0.309,26.491 h0.76 r270; Top Overlay "Vin" at 0.309,23.57 h0.76 r270; Top Overlay "A0" at 0.309,18.49 h0.76 r270; Top Overlay "A1" at 0.309,15.95 h0.76 r270; Top Overlay "A2" at 0.309,13.41 h0.76 r270; Top Overlay "A3" at 0.309,10.997 h0.76 r270; Top Overlay "A4" at 0.309,8.457 h0.76 r270; Top Overlay "A5" at 0.309,5.917 h0.76 r270; Top Overlay "ARef" at 52.379,45.922 h0.76 r270; Top Overlay "GND" at 52.379,43.255 h0.76 r270; Top Overlay "D13" at 52.379,40.588 h0.76 r270; Top Overlay "D12" at 52.379,38.048 h0.76 r270; Top Overlay "D11" at 52.379,35.381 h0.76 r270; Top Overlay "D10" at 52.379,32.968 h0.76 r270; Top Overlay "D9" at 52.379,30.174 h0.76 r270; Top Overlay "D8" at 52.379,27.634 h0.76 r270; Top Overlay "D7" at 52.379,23.443 h0.76 r270; Top Overlay "D6" at 52.379,21.03 h0.76 r270; Top Overlay "D5" at 52.379,18.49 h0.76 r270; Top Overlay "D4" at 52.379,15.95 h0.76 r270; Top Overlay "D3" at 52.379,13.41 h0.76 r270; Top Overlay "D2" at 52.379,10.87 h0.76 r270; Top Overlay "D1" at 52.379,8.203 h0.76 r270; Top Overlay "D0" at 52.379,5.79 h0.76 r270; Top Overlay "SCL" at 52.379,50.748 h0.76 r270; Top Overlay "SDA" at 52.379,48.335 h0.76 r270; Top Overlay "IOr" at 0.309,38.81 h0.76 r270; Top Overlay "GND" at 0.309,29.031 h0.76 r270; Bottom Overlay "G" at 0.309,25.221 h0.76 r270; Bottom Overlay "SDA" at 52.379,46.43 h0.76 r270; Bottom Overlay "SCL" at 52.379,48.843 h0.76 r270; Bottom Overlay "D8" at 52.379,26.491 h0.76 r270; Bottom Overlay "D9" at 52.379,29.031 h0.76 r270; Bottom Overlay "D10" at 52.379,31.19 h0.76 r270; Bottom Overlay "D11" at 52.379,33.984 h0.76 r270; Bottom Overlay "D12" at 52.379,36.397 h0.76 r270; Bottom Overlay "D13" at 52.379,38.937 h0.76 r270; Bottom Overlay "G" at 52.379,42.112 h0.76 r270; Bottom Overlay "ARef" at 52.379,43.636 h0.76 r270; Bottom Overlay "D0" at 52.379,4.647 h0.76 r270; Bottom Overlay "D1" at 52.379,7.314 h0.76 r270; Bottom Overlay "D2" at 52.379,9.727 h0.76 r270; Bottom Overlay "D3" at 52.379,12.267 h0.76 r270; Bottom Overlay "D4" at 52.379,14.807 h0.76 r270; Bottom Overlay "D5" at 52.379,17.347 h0.76 r270; Bottom Overlay "D6" at 52.379,19.887 h0.76 r270; Bottom Overlay "D7" at 52.379,22.427 h0.76 r270; Bottom Overlay "IOr" at 0.309,37.667 h0.76 r270; Bottom Overlay "Vin" at 0.309,22.173 h0.76 r270; Bottom Overlay "G" at 0.309,27.761 h0.76 r270; Bottom Overlay "5V" at 0.309,29.92 h0.76 r270; Bottom Overlay "3.3V" at 0.309,32.079 h0.76 r270; Bottom Overlay "RST" at 0.309,34.746 h0.76 r270; Bottom Overlay "A5" at 0.309,4.647 h0.76 r270; Bottom Overlay "A4" at 0.309,7.187 h0.76 r270; Bottom Overlay "A3" at 0.309,9.6 h0.76 r270; Bottom Overlay "A2" at 0.309,12.14 h0.76 r270; Bottom Overlay "A1" at 0.309,14.934 h0.76 r270; Bottom Overlay "A0" at 0.309,17.22 h0.76 r270